# KiCad board FD_new_testblock2.kicad_pcb (continued)
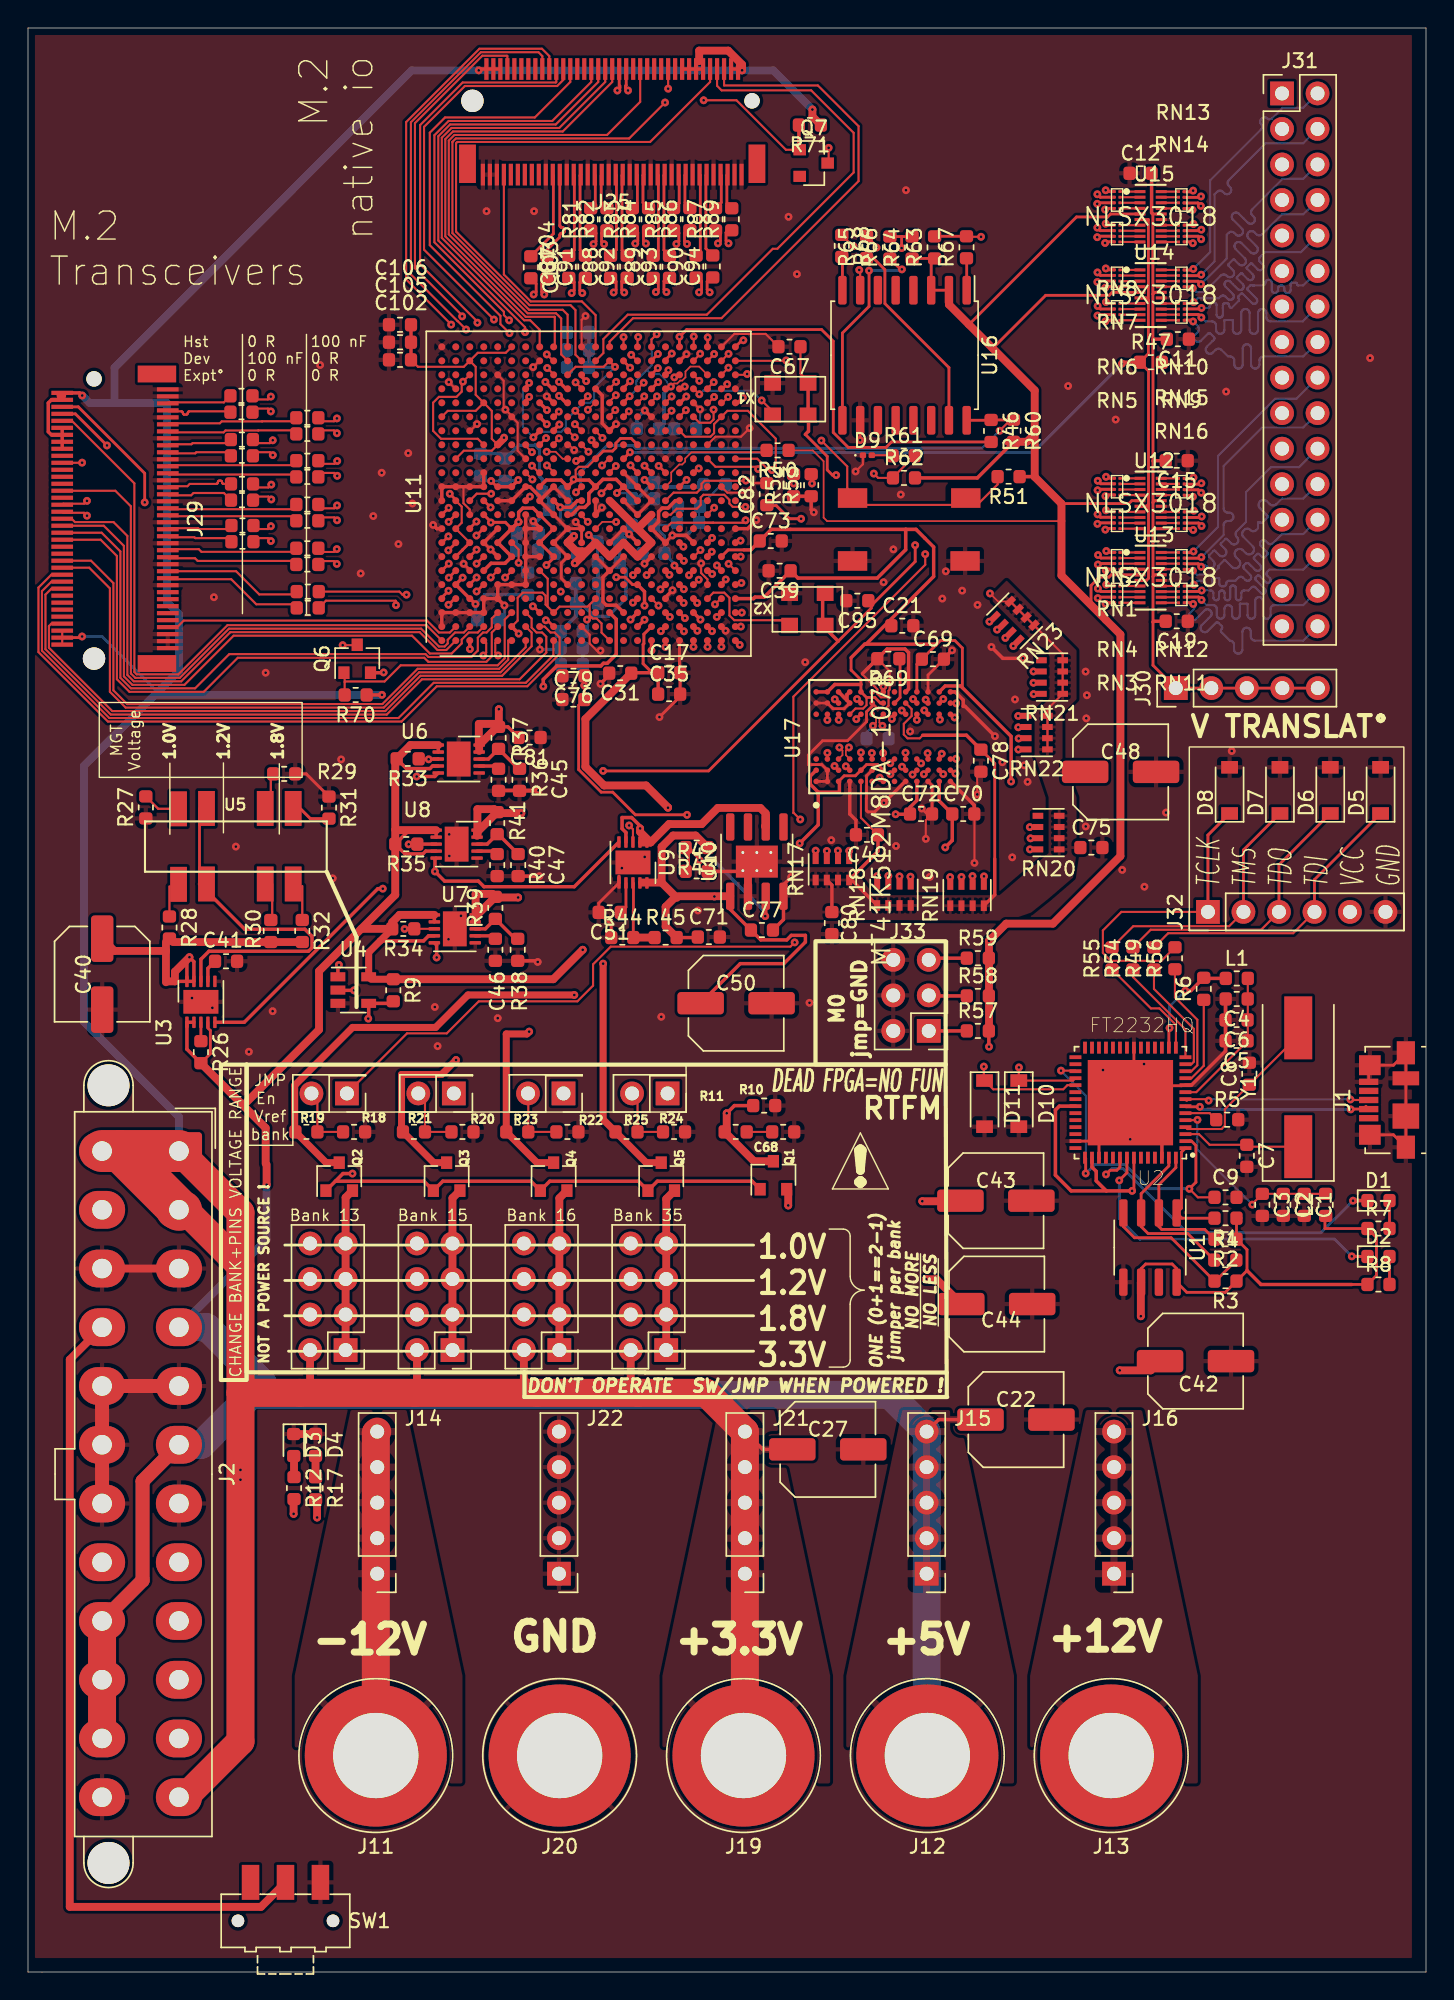
[diagram p0: board, top side]
## Routing (per net, layer and track width the routed paths; a pad name or vN(x,y) marks a point on that pad's centre or on a via; arc(x,y) is an arc through that point) (continued)
Net-(RN5-Pad3): length 1.4
  Top w0.15: RN5.3 U14.8
Net-(RN5-Pad4): length 1.4
  Top w0.15: RN5.4 U14.7
Net-(RN6-Pad1): length 1.4
  Top w0.15: RN6.1 U14.4
Net-(RN6-Pad2): length 1.4
  Top w0.15: RN6.2 U14.3
Net-(RN6-Pad3): length 1.4
  Top w0.15: RN6.3 U14.2
Net-(RN6-Pad4): length 1.5
  Top w0.15: 79.59,121.7 RN6.4
Net-(RN7-Pad1): length 1.4
  Top w0.15: RN7.1 U15.10
Net-(RN7-Pad2): length 1.4
  Top w0.15: U15.9 RN7.2
Net-(RN7-Pad3): length 1.4
  Top w0.15: RN7.3 U15.8
Net-(RN7-Pad4): length 1.4
  Top w0.15: U15.7 RN7.4
Net-(RN8-Pad1): length 1.4
  Top w0.15: U15.4 RN8.1
Net-(RN8-Pad2): length 1.4
  Top w0.15: RN8.2 U15.3
Net-(RN8-Pad3): length 1.4
  Top w0.15: U15.2 RN8.3
Net-(RN8-Pad4): length 1.5
  Top w0.15: RN8.4 79.59,127.3
Net-(RN9-Pad5): length 1.2
  Top w0.15: RN9.5 U14.14
Net-(RN9-Pad6): length 1.2
  Top w0.15: RN9.6 U14.13
Net-(RN9-Pad7): length 1.2
  Top w0.15: RN9.7 U14.12
Net-(RN9-Pad8): length 1.2
  Top w0.15: RN9.8 U14.11
Net-(RN10-Pad5): length 1.2
  Top w0.15: RN10.5 U14.20
Net-(RN10-Pad6): length 1.2
  Top w0.15: RN10.6 U14.19
Net-(RN10-Pad7): length 1.2
  Top w0.15: RN10.7 U14.18
Net-(RN10-Pad8): length 1.2
  Top w0.15: RN10.8 U14.17
Net-(RN11-Pad5): length 1.2
  Top w0.15: RN11.5 U13.14
Net-(RN11-Pad6): length 1.2
  Top w0.15: RN11.6 U13.13
Net-(RN11-Pad7): length 1.2
  Top w0.15: RN11.7 U13.12
Net-(RN11-Pad8): length 1.2
  Top w0.15: RN11.8 U13.11
Net-(RN12-Pad5): length 1.2
  Top w0.15: RN12.5 U13.20
Net-(RN12-Pad6): length 1.2
  Top w0.15: RN12.6 U13.19
Net-(RN12-Pad7): length 1.2
  Top w0.15: RN12.7 U13.18
Net-(RN12-Pad8): length 1.2
  Top w0.15: RN12.8 U13.17
Net-(RN13-Pad1): length 1.2
  Top w0.15: U15.20 RN13.1
Net-(RN13-Pad2): length 1.2
  Top w0.15: RN13.2 U15.19
Net-(RN13-Pad3): length 1.2
  Top w0.15: RN13.3 U15.18
Net-(RN13-Pad4): length 1.2
  Top w0.15: RN13.4 U15.17
Net-(RN14-Pad1): length 1.2
  Top w0.15: RN14.1 U15.14
Net-(RN14-Pad2): length 1.2
  Top w0.15: RN14.2 U15.13
Net-(RN14-Pad3): length 1.2
  Top w0.15: RN14.3 U15.12
Net-(RN14-Pad4): length 1.2
  Top w0.15: RN14.4 U15.11
Net-(RN15-Pad1): length 1.2
  Top w0.15: RN15.1 U12.20
Net-(RN15-Pad2): length 1.2
  Top w0.15: RN15.2 U12.19
Net-(RN15-Pad3): length 1
  Top w0.15: RN15.3 81.33,106
Net-(RN15-Pad4): length 1.2
  Top w0.15: RN15.4 U12.17
Net-(RN16-Pad1): length 1.2
  Top w0.15: RN16.1 U12.14
Net-(RN16-Pad2): length 1.2
  Top w0.15: RN16.2 U12.13
Net-(RN16-Pad3): length 1.2
  Top w0.15: RN16.3 U12.12
Net-(RN16-Pad4): length 1.2
  Top w0.15: RN16.4 U12.11
Net-(U3-Pad8): length 25.7
  Top w0.2: 12.27,83.19 12.27,77.8
  Top w0.244: U3.8 12.37,72.41 12.95,72.99 20.06,72.99 20.32,73.24 20.32,74.05 19.81,74.56 15.5,74.56 12.27,77.8

## Copper pours and planes (outline as drawn; the poured copper is in the pictures)
+3.3V on Top, B.Cu_GND_DDR, In1.CuGND_DDR, In2.Cu_SigDDR, In3.Cu_GND_DDR, In4.Cu_SigDDR: 57.38,21.18 57.38,13.48 45.38,13.48 45.38,21.18 49.38,40.18 53.38,40.18
+5V on Top, B.Cu_GND_DDR, In1.CuGND_DDR, In2.Cu_SigDDR, In3.Cu_GND_DDR, In4.Cu_SigDDR: 70.53,21.18 70.53,13.48 58.53,13.48 58.53,21.18 62.53,40.18 66.53,40.18
+12V on Top, B.Cu_GND_DDR, In1.CuGND_DDR, In2.Cu_SigDDR, In3.Cu_GND_DDR, In4.Cu_SigDDR: 83.68,21.18 83.68,13.48 71.68,13.48 71.68,21.18 75.68,40.18 79.68,40.18
-12V on Top, B.Cu_GND_DDR, In1.CuGND_DDR, In2.Cu_SigDDR, In3.Cu_GND_DDR, In4.Cu_SigDDR: 31.08,21.18 31.08,13.48 19.08,13.48 19.08,21.18 23.08,40.18 27.08,40.18
GND on Top, B.Cu_GND_DDR, In1.CuGND_DDR, In2.Cu_SigDDR, In3.Cu_GND_DDR, In4.Cu_SigDDR: 98.99,1 0.5,1 0.5,138.5 98.99,138.5
VCCDDR_1.35V_VREF on Top: 75,94.5 75,91 74,90 74,86.5 75,84 75,80 74.75,78.25 73,76.75 71.75,75.75 70.1,75.17 54,75.25 53.5,79 59,79 60.5,77 69.5,77 73,80 73,84 72,87 72,90 73,91 73,94.5 72,95 69,98 69,98.5 70,99.5

## Text on the board
F.SilkS: NOT A POWER SOURCE ! | Hst / Dev / Expt° | 0 R / 100 nF / 0 R | 100 nF / 0 R / 0 R | JMP / En / Vref / bank | Bank 13 | Bank 15 | Bank 16 | Bank 35 | MGT / Voltage | CHANGE BANK+PINS VOLTAGE RANGE | 1.0V / 1.2V / 1.8V | ONE (0+1==2-1) / jumper per bank / NO MORE / NO LESS | DEAD FPGA=NO FUN | DON'T OPERATE  SW/JMP WHEN POWERED ! | M0 / jmp=GND | TCLK / TMS / TDO / TDI / VCC / GND | RTFM | V TRANSLAT° | 1.0V / 1.2V / 1.8V / 3.3V | M.2 / Transceivers | M.2 / native io | -12V | GND | +3.3V | +5V | +12V | !
